# Altium PCB SPEC-A7.PcbDoc (part 6 of 10)
Units mm, origin at the board's own origin, x right, y up, seen from the top; angles counter-clockwise.
Board outline 160 x 100 mm, 6 copper layers (Top Layer, L2, L3, L4, L5, Bottom Layer), stack 1.61 mm thick; 746 components, 489 nets, 2774 pads, 1740 vias.
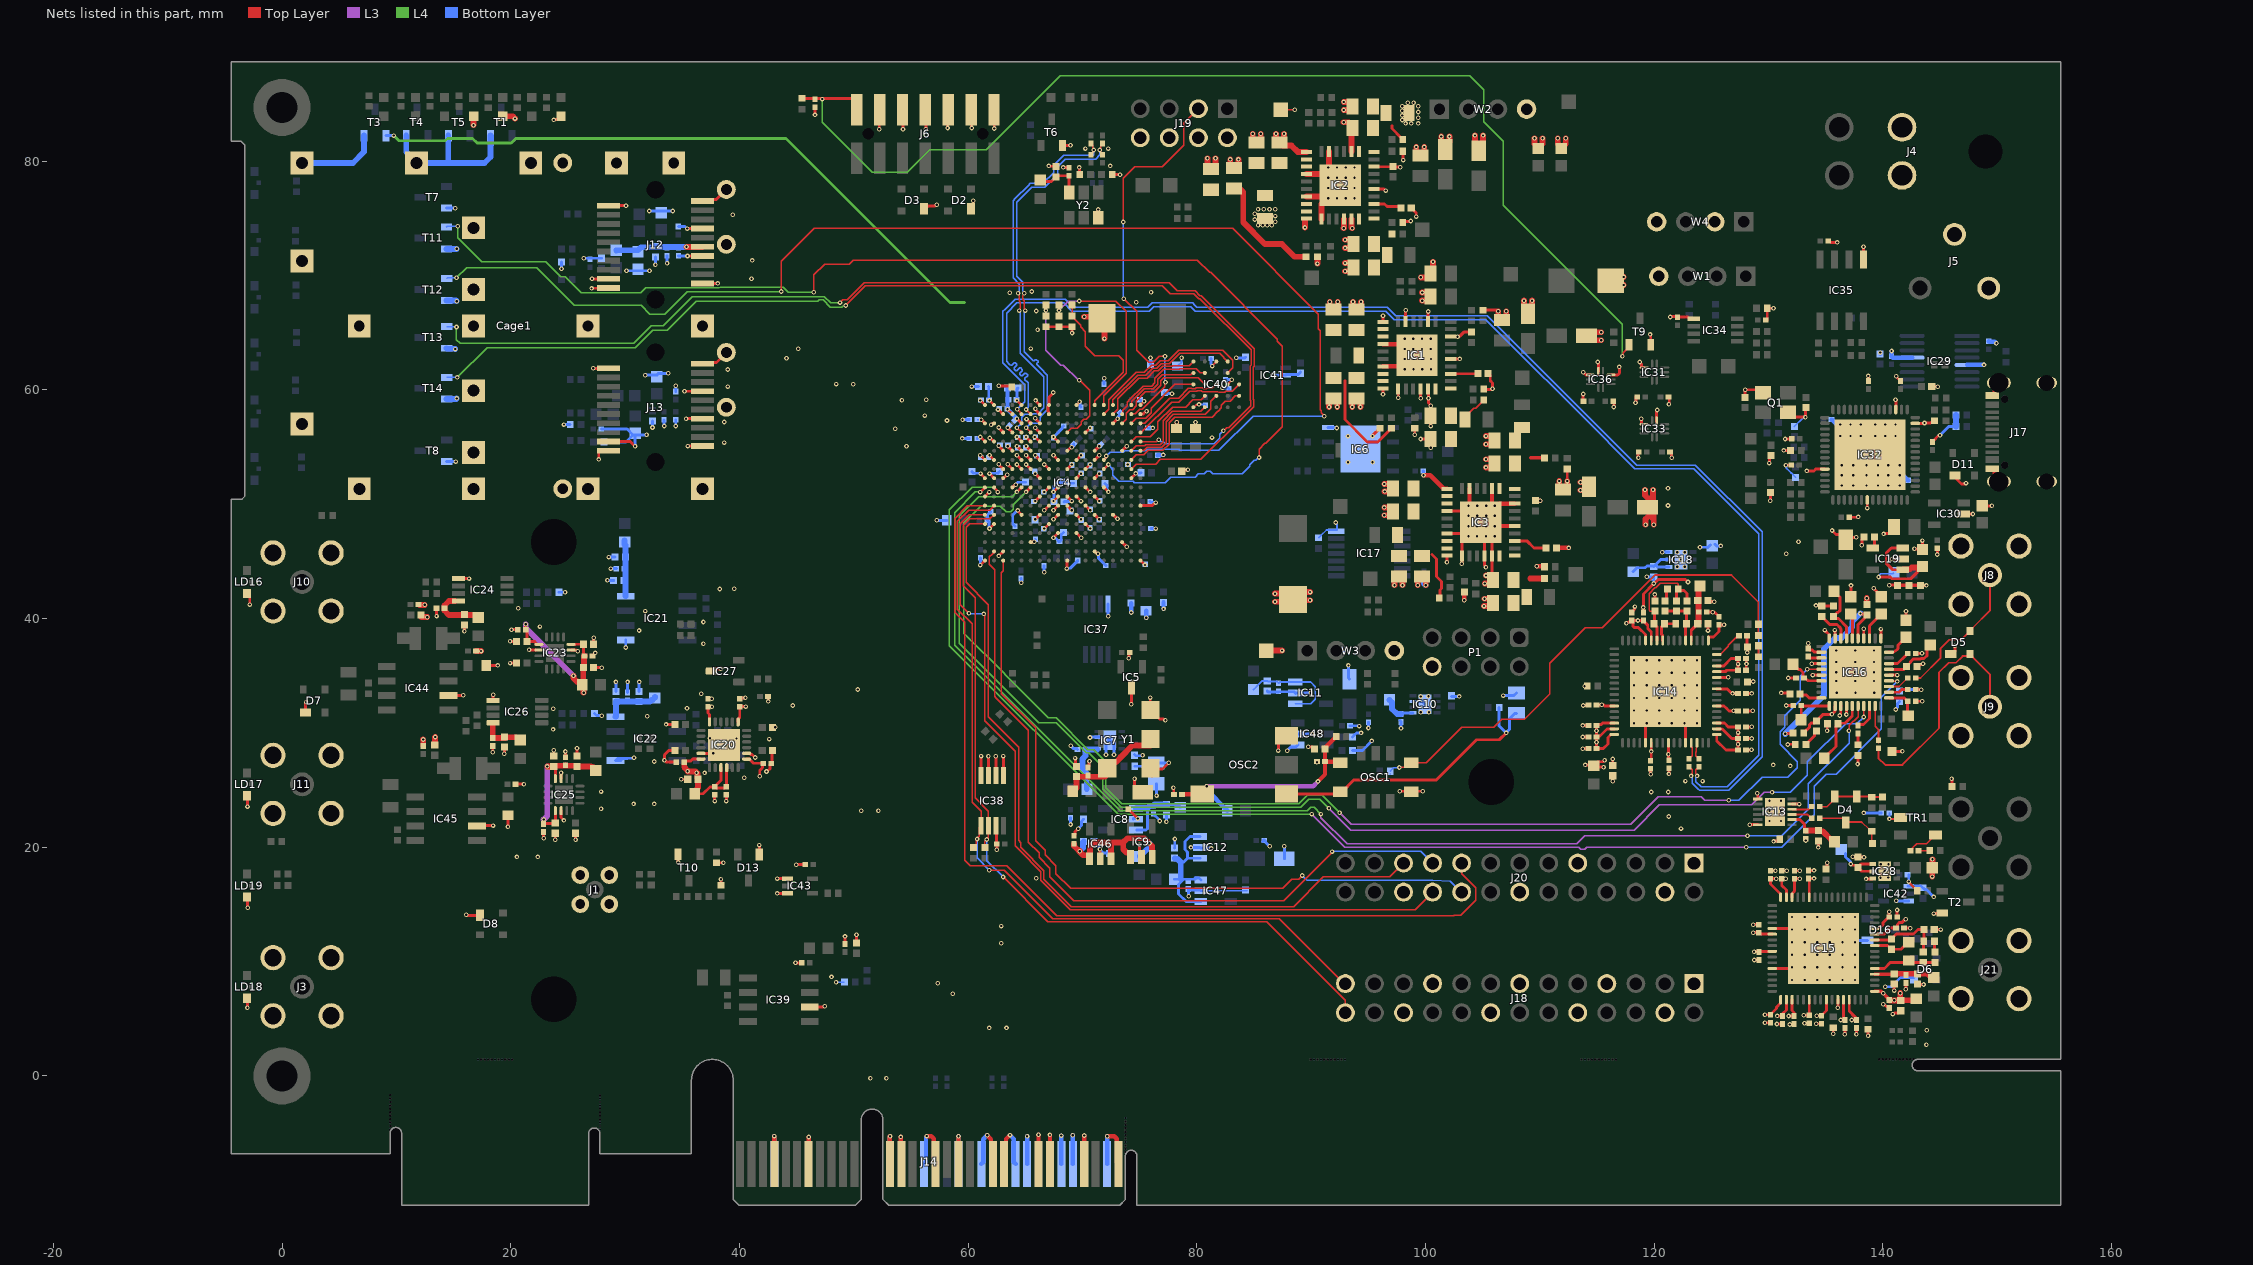
[diagram p10: the nets of this part, all layers, seen from the top]

## Via types
v1: diameter 0.4, hole 0.2, Top Layer to Bottom Layer, tented both sides, 1622 vias
v2: diameter 0.5, hole 0.2, Top Layer to Bottom Layer, tented both sides, 73 vias
v3: diameter 0.4, hole 0.2, Top Layer to Bottom Layer, 45 vias

## Nets (pads, with @x,y where several pads share a name; then routed paths per layer and width w, separated by ;. In a path a pad name is that pad's centre, name@x,y a point inside that pad or via, vN(x,y) a via of type N, cw(c..) or ccw(c..) an arc to the next point about the centre after c; other vN are vias at no path point) (continued)
GND: (continued)
  other v2: 132.05,8.4 133.15,8.4 134.25,8.4 135.35,8.4 136.45,8.4 137.55,8.4 132.05,9.5 133.15,9.5 134.25,9.5 135.35,9.5 136.45,9.5 137.55,9.5 132.05,10.6 133.15,10.6 134.25,10.6 135.35,10.6 136.45,10.6 137.55,10.6 132.05,11.7 133.15,11.7 134.25,11.7 135.35,11.7 136.45,11.7 132.05,12.8 133.15,12.8 134.25,12.8 135.35,12.8 136.45,12.8 137.55,12.8 132.05,13.9 133.15,13.9 134.25,13.9 135.35,13.9 136.45,13.9 137.55,13.9 118.234,30.858 119.334,30.858 120.434,30.858 121.534,30.858 122.634,30.858 123.734,30.858 118.234,31.958 120.434,31.958 121.534,31.958 123.734,31.958 118.234,33.058 119.334,33.058 122.634,33.058 123.734,33.058 118.234,34.158 119.334,34.158 120.434,34.158 121.534,34.158 122.634,34.158 123.734,34.158 118.234,35.258 119.334,35.258 120.434,35.258 121.534,35.258 122.634,35.258 123.734,35.258 118.234,36.358 119.334,36.358 120.434,36.358 121.534,36.358 122.634,36.358 123.734,36.358
  other v3: 87.895,28.445 89.95,33.5
GPIO0: IC4.M1 J20.17 | length 84.4
  Top Layer w0.127: IC4.M1@61.464,49.876 61.446,49.858 59.933,49.858 58.804,48.729 58.804,40.541 59.685,39.66 59.685,18.875 60.169,18.39 63.359,18.39 67.748,14.002 68.81,14.002 99.29,14.002 99.298,14.01 102.477,14.01 102.507,14.039 103.058,14.039 104.389,15.371 104.389,16.462 103.171,17.679 103.171,18.6 J20.17@103.151,18.621
GPIO1: IC4.V3 J20.18 | length 66.5
  Top Layer w0.127: IC4.V3@63.064,45.076 63.064,44.19 62.896,44.022 62.896,33.444 65.901,30.438 65.901,20.567 66.735,19.733 66.735,19.34 67.677,18.398 67.677,17.683 68.959,16.401 87.488,16.401 88.311,17.224 88.888,17.224 89.192,17.528 v1(89.225,17.528)
  Bottom Layer w0.127: v1(89.225,17.528) 89.529,17.224 89.657,17.096 100.611,17.096 cw(c100.611,16.081) 100.645,17.095 102.163,17.044 J20.18@103.151,16.081
GPIO2: IC4.U2 J20.19 | length 67.4
  Top Layer w0.127: IC4.U2@62.264,45.876 62.264,45.815 62.083,45.635 62.083,45.619 61.857,45.393 61.857,44.77 62.342,44.284 62.342,33.198 62.36,33.181 62.36,33.134 65.252,30.241 65.252,20.447 66.199,19.501 66.199,19.118 67.141,18.176 67.141,17.438 69.243,15.336 87.586,15.336 91.824,19.574 v1(91.824,19.626)
  Bottom Layer w0.127: v1(91.824,19.626) 91.859,19.661 99.57,19.661 J20.19@100.611,18.621
GPIO3: IC4.N1 J20.20 | length 73.3
  Top Layer w0.127: v1(60.066,40.465) 59.312,41.219 59.312,48.275 60.112,49.076 IC4.N1@61.464,49.076 ; v1(61.371,40.404) 61.371,40.331 61.463,40.239 61.463,31.067 64.114,28.415 64.114,20.125 65.409,18.831 65.409,18.791 66.351,17.849 66.351,17.111 68.915,14.546 99.076,14.546 J20.20@100.611,16.081
  Bottom Layer w0.127: v1(60.066,40.465) 60.096,40.435 61.341,40.435 v1(61.371,40.404)
GPIO4: IC4.P1 J20.21 | length 69.4
  Top Layer w0.127: IC4.P1@61.464,48.276 60.13,48.276 59.82,47.966 59.82,43.168 61.761,41.226 61.761,31.403 64.402,28.763 64.402,20.598 64.614,20.386 64.614,19.985 65.663,18.936 65.663,18.896 66.605,17.954 66.605,17.216 69.021,14.8 88.45,14.8 91.05,17.4 96.85,17.4 J20.21@98.071,18.621
GTP_CLK_REF_N: C47.1 IC14.45 | length 1.6
  Top Layer w0.127: C47.1@123.035,27.735 123.035,27.76 123.197,27.922 123.24,27.922 123.314,27.996 123.314,28.467 123.319,28.471 123.319,28.714 123.234,28.799 IC14.45@123.234,29.133
GTP_CLK_REF_P: C46.1 IC14.46 | length 1.6
  Top Layer w0.127: IC14.46@123.734,29.133 123.734,28.799 123.649,28.714 123.649,28.335 123.645,28.33 123.645,27.996 123.719,27.922 123.763,27.922 123.924,27.76 C46.1@123.924,27.735
HRAM_CK: IC4.B14 IC40.B2 | length 15.7
  Top Layer w0.127: IC4.B14@71.864,57.876 72.298,58.31 72.298,59.127 74.709,61.538 75.418,61.538 76.04,62.159 76.404,62.159 76.799,62.554 77.499,62.554 78.395,63.449 82.273,63.449 83.13,62.592 83.13,61.913 IC40.B2@82.697,61.48
HRAM_CKn: IC4.A15 IC40.B1 | length 12.5
  Top Layer w0.127: IC4.A15@72.664,58.676 72.664,59.133 74.814,61.284 75.523,61.284 76.145,61.905 76.509,61.905 76.904,62.3 77.605,62.3 78.5,63.195 81.983,63.195 IC40.B1@82.697,62.48
HRAM_CSn: IC4.D18 IC40.A3 | length 10.5
  Top Layer w0.127: IC4.D18@75.064,56.276 75.124,56.276 75.221,56.372 75.23,56.372 77.795,58.937 78.433,58.937 79.357,59.861 79.982,59.861 80.034,59.913 80.389,59.913 80.441,59.861 80.448,59.861 80.46,59.849 81.838,59.849 81.897,59.791 82.452,59.791 82.524,59.862 83.079,59.862 IC40.A3@83.697,60.48
HRAM_DQ0: IC4.C16 IC40.D3 | length 9.9
  Top Layer w0.127: IC4.C16@73.464,57.076 73.829,57.441 73.829,57.958 74.147,58.276 74.381,58.276 74.698,58.593 74.698,59.022 75.505,59.828 76.273,59.828 76.844,60.399 76.844,60.803 77.093,61.052 80.126,61.052 IC40.D3@80.697,60.48
HRAM_DQ1: IC4.B16 IC40.D2 | length 9.6
  Top Layer w0.127: IC4.B16@73.464,57.876 73.506,57.918 73.506,58.201 73.898,58.593 73.898,58.904 74.052,59.058 74.052,59.094 75.294,60.336 76.062,60.336 76.336,60.61 76.336,61.013 77.114,61.792 78.456,61.792 78.518,61.854 79.927,61.854 80.3,61.48 IC40.D2@80.697,61.48
HRAM_DQ2: IC4.F18 IC40.C4 | length 10.1
  Top Layer w0.127: IC4.F18@75.064,54.676 75.106,54.718 75.393,54.718 75.642,54.968 76.913,54.968 77.307,55.362 77.307,57.216 77.949,57.857 80.433,57.857 80.435,57.859 80.727,57.859 81.206,58.338 81.206,58.989 IC40.C4@81.697,59.48
HRAM_DQ3: IC4.E17 IC40.D4 | length 8.5
  Top Layer w0.127: IC4.E17@74.264,55.476 74.698,55.91 75.935,55.91 76.576,56.551 76.576,57.203 77.873,58.5 79.04,58.5 79.655,59.115 79.849,59.115 79.854,59.12 80.372,59.12 80.697,59.445 IC40.D4@80.697,59.48
HRAM_DQ4: IC4.F17 IC40.D5 | length 9.1
  Top Layer w0.127: IC4.F17@74.264,54.676 74.698,55.11 75.425,55.11 75.537,55.222 76.808,55.222 77.053,55.467 77.053,57.321 77.844,58.111 80.328,58.111 IC40.D5@80.697,58.48
HRAM_DQ5: IC4.C17 IC40.E3 | length 7.1
  Top Layer w0.127: IC4.C17@74.264,57.076 74.698,57.51 75.52,57.51 75.989,57.979 75.989,58.388 78.081,60.48 IC40.E3@79.697,60.48
HRAM_DQ6: IC4.A17 IC40.E2 | length 7
  Top Layer w0.127: IC4.A17@74.264,58.676 74.306,58.718 74.306,58.989 75.399,60.082 76.167,60.082 76.59,60.505 76.59,60.908 76.988,61.306 79.465,61.306 79.64,61.48 IC40.E2@79.697,61.48
HRAM_DQ7: IC4.B15 IC40.E1 | length 9.5
  Top Layer w0.127: IC4.B15@72.664,57.876 73.098,58.31 73.098,59.208 74.92,61.03 75.651,61.03 76.273,61.651 76.615,61.651 77.009,62.046 77.84,62.046 77.902,62.108 79.325,62.108 IC40.E1@79.697,62.48
HRAM_RSTn: IC4.G17 IC40.A4 | length 13
  Top Layer w0.127: IC4.G17@74.264,53.876 74.698,54.31 75.344,54.31 75.736,54.702 77.007,54.702 77.561,55.257 77.561,57.111 78.05,57.599 81.326,57.599 81.842,58.115 81.849,58.115 82.15,58.416 82.15,58.666 82.49,59.007 82.9,59.007 83.373,59.48 IC40.A4@83.697,59.48
HRAM_RWDS: IC4.C18 IC40.C3 | length 8.1
  Top Layer w0.127: IC4.C18@75.064,57.076 75.444,57.076 77.646,59.277 78.414,59.277 79.257,60.12 79.541,60.12 79.546,60.115 79.877,60.115 79.929,60.167 80.494,60.167 80.546,60.115 80.849,60.115 80.861,60.127 81.344,60.127 IC40.C3@81.697,60.48
HW_REV0: IC4.D10 R125.1 R128.2 | length 14.7
  Top Layer w0.127: R128.2@66.797,66.462 66.801,66.466 v1(66.801,66.944) ; v1@66.797,66.944 R125.1@66.797,67.427 ; IC4.D10@68.664,56.276 69.029,56.641 69.546,56.641 69.898,56.993 69.898,57.227 70.112,57.441 70.346,57.441 70.629,57.724 70.629,59.98 69.773,60.836 v1(69.718,60.836)
  L3 w0.127: v1(66.801,66.944) 66.801,63.447 68.081,62.168 68.318,62.168 69.65,60.836 v1(69.718,60.836)
HW_REV1: IC4.A14 R126.1 R129.2 | length 16.5
  Top Layer w0.127: R129.2@67.94,66.462 v1(67.94,66.944) R126.1@67.94,67.427 ; v1(69.718,67.77) 70.182,67.77 70.191,67.76 72.908,67.76 73.813,66.855 73.813,61.455 71.864,59.506 IC4.A14@71.864,58.676
  L3 w0.127: v1(67.94,66.944) 68.765,67.77 v1(69.718,67.77)
HW_REV2: IC4.A13 R127.1 R130.2 | length 12.9
  Top Layer w0.127: R127.1@69.083,67.427 R130.2@69.083,66.462 69.083,66.408 69.85,65.641 69.85,65.5 70.25,65.1 70.25,63.8 71.05,63 73.15,63 73.559,62.59 73.559,61.561 71.064,59.065 IC4.A13@71.064,58.676
I2C_SCL: IC4.N2 IC38.6 J18.26 R41.1 | length 71.6
  Top Layer w0.127: R41.1@61.463,19.98 61.463,20.526 v1(61.618,20.681) 61.773,20.836 IC38.6@61.773,21.882 61.773,23.137 60.6,24.309 60.6,41.835 59.566,42.87 59.566,48.146 60.13,48.71 61.898,48.71 IC4.N2@62.264,49.076 ; v1(63.05,17.4) 66.972,13.478 86.121,13.478 92.991,6.608 J18.26@92.991,5.54
  Bottom Layer w0.127: v1(61.618,20.681) 61.618,18.832 v1(63.05,17.4)
I2C_SDA: IC4.M2 IC38.5 J18.25 R40.1 | length 71.9
  Top Layer w0.127: R40.1@60.447,19.98 60.467,19.98 60.693,20.206 60.693,20.566 60.779,20.651 v1(60.779,20.725) 60.779,20.799 60.961,20.981 60.961,21.72 IC38.5@61.123,21.882 61.123,23.152 60.336,23.938 60.336,39.529 59.058,40.807 59.058,48.505 60.035,49.482 61.87,49.482 IC4.M2@62.264,49.876 ; v1(61.85,18) 63.15,18 67.414,13.736 87.214,13.736 92.87,8.08 J18.25@92.991,8.08
  Bottom Layer w0.127: v1(60.779,20.725) 60.779,19.071 v1(61.85,18)
LED0: IC4.H14 T11.1 | length 108.3
  Top Layer w0.127: v1(46.492,68.535) 46.516,68.559 46.516,70.055 47.442,70.981 49.616,70.981 49.961,71.326 80.051,71.326 81.11,70.267 81.216,70.267 87.036,64.447 87.036,64.273 87.482,63.827 87.482,56.796 86.005,55.319 85.929,55.319 85.435,54.826 v1(85.435,54.084)
  Top Layer w0.254: IC4.H14@71.864,53.076 v1(72.264,53.476)
  L4 w0.127: v1(15.35,74.3) 15.35,73.306 17.467,71.188 23.062,71.188 24.35,69.9 24.75,69.9 26.168,68.482 31.354,68.482 31.784,68.912 38.244,68.912 38.323,68.99 43.812,68.99 44.281,68.521 46.478,68.521 v1(46.492,68.535)
  Bottom Layer w0.127: T11.1@14.376,74.231 14.445,74.3 v1(15.35,74.3) ; v1(72.264,53.476) 72.664,53.076 72.664,52.52 72.908,52.276 73.162,52.022 74.417,52.022 74.544,51.895 77.233,51.895 77.716,52.378 79.853,52.378 80.132,52.657 80.645,52.657 80.859,52.87 81.183,52.87 81.387,52.666 83.951,52.666 84.619,53.334 84.619,53.461 85.018,53.86 85.137,53.86 85.362,54.084 v1(85.435,54.084)
LED1: IC4.G14 T12.1 | length 116.3
  Top Layer w0.127: v1(43.65,68.6) 43.65,71.252 46.507,74.109 ; 46.507,74.12 83.13,74.12 90.633,66.617 90.633,65.345 90.798,65.18 90.798,58.274 90.88,58.193 90.88,57.982 91.15,57.712 v1(91.15,57.7)
  Top Layer w0.254: IC4.G14@71.864,53.876 71.864,53.902 72.04,54.078 72.04,54.189 v1(72.068,54.217)
  L4 w0.127: v1(15.25,69.8) 16.13,70.68 22.25,70.68 25.552,67.378 31.394,67.378 32.161,66.611 33.461,66.611 35.45,68.6 v1(43.65,68.6)
  Bottom Layer w0.127: T12.1@14.383,69.725 14.458,69.8 v1(15.25,69.8) ; v1(72.068,54.217) 72.413,54.562 73.56,54.562 73.68,54.681 75.544,54.681 75.678,54.816 76.987,54.816 77.011,54.791 78.423,54.791 78.511,54.702 81.923,54.702 84.921,57.7 v1(91.15,57.7)
LED2: IC4.H17 T13.1 | length 95
  Top Layer w0.127: v1(48.793,67.632) 49.05,67.889 49.431,67.889 50.885,69.343 ; 50.885,69.354 77.596,69.354 78.296,68.654 79.849,68.654 80.268,68.235 80.374,68.235 85.004,63.605 85.004,62.069 84.923,61.988 84.923,59.183 84.968,59.138 84.968,58.523 84.571,58.126 84.571,58.119 84.059,57.607 84.052,57.607 80.359,53.914 76.795,53.914 76.391,53.51 74.698,53.51 IC4.H17@74.264,53.076
  L4 w0.127: v1(15.25,65.5) 15.25,64.4 15.574,64.076 30.759,64.076 32.283,65.6 33.35,65.6 35.88,68.131 46.669,68.131 46.688,68.15 47.409,68.15 47.961,67.597 48.758,67.597 v1(48.793,67.632)
  Bottom Layer w0.127: T13.1@14.383,65.534 14.417,65.5 v1(15.25,65.5)
LED3: IC4.E18 T14.1 | length 92.9
  Top Layer w0.127: v1(49.301,67.378) 51.012,69.089 ; 51.012,69.1 76.95,69.1 77.65,68.4 79.744,68.4 80.163,67.981 80.269,67.981 84.75,63.5 84.75,62.174 84.669,62.093 84.669,59.078 84.714,59.033 84.714,58.628 84.317,58.231 84.317,58.224 83.954,57.861 83.947,57.861 82.767,56.681 82.621,56.681 82.368,56.429 v1(82.321,56.429) ; IC4.E18@75.064,55.476 76.436,55.476 76.589,55.629 v1(76.663,55.629)
  L4 w0.127: v1(15.331,61.089) 17.937,63.695 30.886,63.695 32.41,65.219 33.669,65.219 36.209,67.759 46.844,67.759 46.98,67.896 47.304,67.896 47.958,67.242 48.955,67.242 49.039,67.326 49.249,67.326 v1(49.301,67.378)
  Bottom Layer w0.127: T14.1@14.383,61.089 v1(15.331,61.089) ; v1(76.663,55.629) 76.737,55.629 76.898,55.467 77.053,55.467 77.222,55.299 81.498,55.299 81.981,55.782 81.981,56.097 82.312,56.429 v1(82.321,56.429)
LMX_CS: IC4.K2 IC16.24 | length 117.8
  Top Layer w0.127: IC16.24@140.518,34.559 140.545,34.532 141.211,34.532 v1(141.238,34.505) v1@141.238,34.534
  Top Layer w0.254: IC4.K2@62.264,51.476 62.264,51.45 62.557,51.157 62.557,51.09 v1(62.585,51.062)
  L3 w0.127: v1(90.05,22.9) 92.95,20 113.398,20 113.588,19.81 113.912,19.81 114.102,20 v1(128.05,20)
  L4 w0.127: v1(62.585,51.062) 62.585,51.065 62.165,51.485 60.335,51.485 58.359,49.509 58.359,37.643 73.102,22.9 v1(90.05,22.9)
  Bottom Layer w0.127: v1(128.05,20) 131.15,20 134,22.85 134,25.35 135.05,26.4 135.9,26.4 139.85,30.35 139.85,33.117 v1(141.238,34.505)
LMX_SCK: IC4.K1 IC16.16 | length 109.6
  Top Layer w0.127: v1(137.019,30.188) 137.064,30.233 137.064,30.665 137.821,31.422 137.821,32.356 IC16.16@137.818,32.359
  Top Layer w0.254: v1(61.064,51.062) 61.064,51.069 61.464,51.469 IC4.K1@61.464,51.476
  L3 w0.127: v1(90.85,22.9) 90.85,22.6 93.15,20.3 113.217,20.3 113.917,21 v1(128.15,21)
  L4 w0.127: v1(61.064,51.062) 61.05,51.076 60.626,51.076 58.808,49.258 58.808,37.668 73.277,23.2 89.65,23.2 89.95,23.5 90.25,23.5 v1(90.85,22.9)
  Bottom Layer w0.127: v1(128.15,21) 131.163,21 133.473,23.309 133.473,25.537 137.031,29.095 137.031,30.177 v1(137.019,30.188)
LMX_SDI: IC4.K5 IC16.17 | length 110.9
  Top Layer w0.127: v1(138.31,31.392) 138.318,31.401 IC16.17@138.318,32.359
  Top Layer w0.254: v1(64.264,51.076) IC4.K5@64.664,51.476
  L3 w0.127: v1(91.55,23.4) 93.45,21.5 118.25,21.5 120.45,23.7 128.532,23.7 129.632,24.8 v1(130.3,24.8)
  L4 w0.127: v1(64.264,51.076) 63.854,50.666 62.83,50.666 62.826,50.671 60.904,50.671 59.221,48.987 59.221,37.85 66.171,30.9 67.695,30.9 70.326,28.269 70.557,28.269 71.783,27.042 71.783,25.107 73.391,23.5 89.071,23.5 89.771,24.2 90.75,24.2 v1(91.55,23.4)
  Bottom Layer w0.127: v1(130.3,24.8) 131.9,24.8 133.397,26.297 133.397,27.457 136.74,30.8 137.717,30.8 v1@138.301,31.384
LMX_SYNC: IC4.K6 IC16.5 | length 113
  Top Layer w0.127: v1(133.377,35.563) 133.379,35.561 134.616,35.561 IC16.5@134.618,35.559
  Top Layer w0.254: v1(65.064,51.076) IC4.K6@65.464,51.476
  L3 w0.127: v1(92.476,23.026) 93.502,22 117.95,22 120.35,24.4 124.121,24.4 124.421,24.1 v1(126.5,24.1)
  L4 w0.127: v1(65.064,51.076) 63.935,49.947 63.935,49.569 63.706,49.341 63.321,49.341 62.826,49.836 61.085,49.836 59.634,48.384 59.634,38.716 63.183,35.167 63.183,35.144 66.778,31.549 66.778,31.54 67.007,31.311 67.682,31.311 70.47,28.523 70.99,28.523 72.037,27.475 72.037,25.212 73.45,23.8 88.917,23.8 89.717,24.6 90.902,24.6 v1(92.476,23.026)
  Bottom Layer w0.127: v1(126.5,24.1) 127.4,24.1 129.419,26.119 131.663,26.119 132.503,26.959 132.503,27.497 131,29 131,30.086 131.4,30.486 131.4,31.519 132.756,32.875 132.756,34.943 v1(133.377,35.563)
LOCK: IC4.B17 J19.3 | length 35.7
  Top Layer w0.127: v1(73.549,74.681) 73.549,78.499 74.55,79.5 76.95,79.5 78.862,81.412 78.862,83.312 J19.3@80.247,84.697 ; v1(73.605,67.974) 74.72,66.86 74.72,63.475 75.782,62.413 76.194,62.413 76.725,62.944 v1(77.211,62.944) ; IC4.B17@74.264,57.876 74.306,57.918 74.59,57.918 74.981,58.31 75.215,58.31 75.508,58.603 75.544,58.603 77.211,60.271 77.211,60.618 v1(77.255,60.661)
  Bottom Layer w0.127: v1(73.549,74.681) 73.577,74.653 73.577,68.002 v1(73.605,67.974) ; v1(77.211,62.944) 77.211,60.705 v1(77.255,60.661)
MGTAVCC: C56.2 C57.2 C58.2 C59.2 C60.2 C61.2 IC4.B4 IC4.C5 IC4.E5 IC4.F5 R180.2 | length 5.3
  Top Layer w0.254: v1@63.445,58.296 IC4.B4@63.864,57.876 ; v1(64.264,55.076) IC4.F5@64.664,54.676 ; v1(64.264,55.876) IC4.E5@64.664,55.476 ; v1(64.264,57.476) IC4.C5@64.664,57.076
  Bottom Layer w0.381: C56.2@63.439,60.15 63.439,58.301 v1(64.264,57.476)
  other v1: 63.445,58.297 85.35,74.4 85.75,74.4 86.15,74.4 86.55,74.4 86.85,74.7 85.05,74.9 86.85,75.2 85.05,75.4 85.35,75.8 85.85,75.8 86.35,75.8 86.85,75.8
MGTAVTT: C62.2 C63.2 C64.2 C65.2 C66.2 C67.2 IC4.A2 IC4.C1 IC4.E1 IC4.F3 IC4.G2 R42.2 R181.2 T3.1 TP9.1 | length 64.3
  Top Layer w0.127: TP9.1@87.35,84.5 v1(88.55,84.5)
  Top Layer w0.254: v1(61.064,55.876) IC4.E1@61.464,55.476 ; v1(61.142,57.398) IC4.C1@61.464,57.076 ; v1(61.864,54.276) IC4.G2@62.264,53.876 ; v1(61.864,59.076) IC4.A2@62.264,58.676 ; v1(62.677,55.111) 62.677,55.087 63.064,54.7 IC4.F3@63.064,54.676 ; v1(62.682,60.36) 62.71,60.332 63.644,60.332 63.678,60.367 63.678,60.379 R42.2@63.807,60.25
  L4 w0.254: v1(9.767,82.241) 10.221,81.787 14.253,81.787 14.46,81.994 16.662,81.994 17.062,81.594 20.035,81.594 20.435,81.994 44.056,81.994 58.407,67.643 59.685,67.643
  Bottom Layer w0.127: C63.2@60.797,57.407 60.826,57.377 61.163,57.377 v1(61.142,57.398)
  Bottom Layer w0.254: T3.1@9.073,82.241 v1(9.767,82.241) ; C62.2@60.797,55.755 60.889,55.848 61.036,55.848 v1(61.064,55.876) ; C67.2@61.786,60.277 61.802,60.26 61.802,59.137 v1(61.864,59.076)
  other v1: 98.25,83.3 98.75,83.3 99.35,83.3 97.95,83.6 99.35,83.8 97.95,84 99.35,84.3 97.95,84.4 97.95,84.8 99.35,84.8 98.45,85.1 98.95,85.1
MGTREFCLK0_N: C45.2 C336.2 IC4.D5 | length 33.7
  Top Layer w0.127: v1(64.264,56.676) IC4.D5@64.664,56.276 ; v1(64.463,66.932) 64.463,67.006 64.562,67.104 64.562,67.673 64.463,67.772 v1@64.463,68.284 ; C45.2@70.734,80.566 70.895,80.727 70.895,80.821 70.978,80.904 v1(70.978,80.978) 70.978,81.052 70.911,81.119 70.911,81.388 C336.2@70.75,81.55
  Bottom Layer w0.127: v1(64.264,56.676) 64.681,57.093 64.681,57.619 64.926,57.864 65.626,57.864 65.691,57.928 66.118,57.928 66.604,58.414 66.604,61.156 65.654,62.106 64.562,63.198 64.562,66.76 64.463,66.858 v1(64.463,66.932) ; v1@64.463,68.628 64.463,69.255 63.927,69.792 63.927,76.542 64.12,76.736 65.242,77.858 65.435,78.051 66.537,78.051 67.491,79.005 67.491,79.644 68.361,80.513 71.002,80.513 71.002,80.954 v1(70.978,80.978)
  other v1: 64.365,68.456
MGTREFCLK0_P: C44.2 C335.2 IC4.D6 | length 33.6
  Top Layer w0.127: v1@64.793,68.284 64.793,67.908 64.892,67.81 64.892,67.104 64.99,67.006 v1(64.99,66.932) ; v1(65.064,56.676) IC4.D6@65.464,56.276 ; C44.2@71.75,80.566 71.588,80.727 71.588,80.821 71.505,80.904 v1(71.505,80.978) 71.505,81.052 71.588,81.135 71.588,81.388 C335.2@71.75,81.55
  Bottom Layer w0.127: v1@64.793,68.628 64.793,69.392 64.257,69.929 64.257,76.406 65.572,77.721 66.674,77.721 67.822,78.869 67.822,79.507 68.497,80.183 71.139,80.183 71.505,80.549 v1(71.505,80.978) ; v1(64.99,66.932) 64.99,66.858 64.892,66.76 64.892,63.853 64.892,63.335 65.671,62.555 65.776,62.555 65.876,62.655 65.969,62.655 66.107,62.516 66.107,62.424 66.008,62.324 66.008,62.219 66.239,61.988 66.284,61.943 66.934,61.293 66.934,58.277 66.448,57.791 66.448,57.786 66.281,57.619 66.281,57.338 66.037,57.093 65.481,57.093 v1(65.064,56.676)
  other v1: 64.892,68.456
MGTREFCLK1_N: C47.2 IC4.B5 | length 114.5
  Top Layer w0.127: v1(64.28,58.312) 64.28,58.286 64.664,57.902 IC4.B5@64.664,57.876 ; C47.2@123.035,27.035 123.035,27.01 123.197,26.849 123.24,26.849 123.314,26.774 v1@123.314,26.413
  Bottom Layer w0.127: v1(64.28,58.312) 64.3,58.312 64.941,58.953 64.941,60.45 63.038,62.353 63.038,66.855 63.231,67.048 64.113,67.93 68.487,67.93 68.68,67.737 69.214,67.203 75.686,67.203 75.886,67.403 76.08,67.597 79.62,67.597 79.813,67.403 79.99,67.227 87.991,67.227 88.009,67.21 96.65,67.21 97.395,66.464 105.399,66.464 116.573,55.29 118.445,53.419 123.598,53.419 129.445,47.571 129.445,27.895 126.521,24.97 123.957,24.97 123.86,25.067 123.664,25.263 123.508,25.419 123.314,25.613 123.314,26.068 123.216,26.167 v1(123.216,26.241)
MGTREFCLK1_P: C46.2 IC4.B6 | length 114.4
  Top Layer w0.127: v1(65.064,58.281) 65.064,58.278 65.464,57.878 IC4.B6@65.464,57.876 ; v1@123.645,26.413 123.645,26.774 123.719,26.849 123.763,26.849 123.924,27.01 C46.2@123.924,27.035
  Bottom Layer w0.127: v1(65.064,58.281) 65.064,58.285 65.271,58.492 65.271,60.587 65.242,60.615 65.197,60.66 64.966,60.892 64.966,60.997 65.192,61.223 65.192,61.315 65.053,61.454 64.96,61.454 64.728,61.222 64.636,61.222 64.497,61.36 64.497,61.453 64.729,61.685 64.729,61.777 64.591,61.916 64.498,61.916 64.266,61.684 64.173,61.684 64.035,61.823 64.035,61.915 64.267,62.147 64.267,62.24 64.128,62.379 64.036,62.379 63.81,62.153 63.705,62.153 63.643,62.215 63.598,62.259 63.368,62.49 63.368,66.718 64.25,67.6 68.35,67.6 69.077,66.873 75.823,66.873 76.216,67.267 79.483,67.267 79.853,66.896 87.855,66.896 87.872,66.879 96.513,66.879 97.258,66.134 105.262,66.134 115.692,55.705 116.243,55.154 118.308,53.088 123.461,53.088 129.115,47.435 129.115,28.031 126.384,25.3 124.094,25.3 123.645,25.749 123.645,26.068 123.743,26.167 v1(123.743,26.241)